# KiCad board for_real_486_rc13.kicad_pcb (continued)
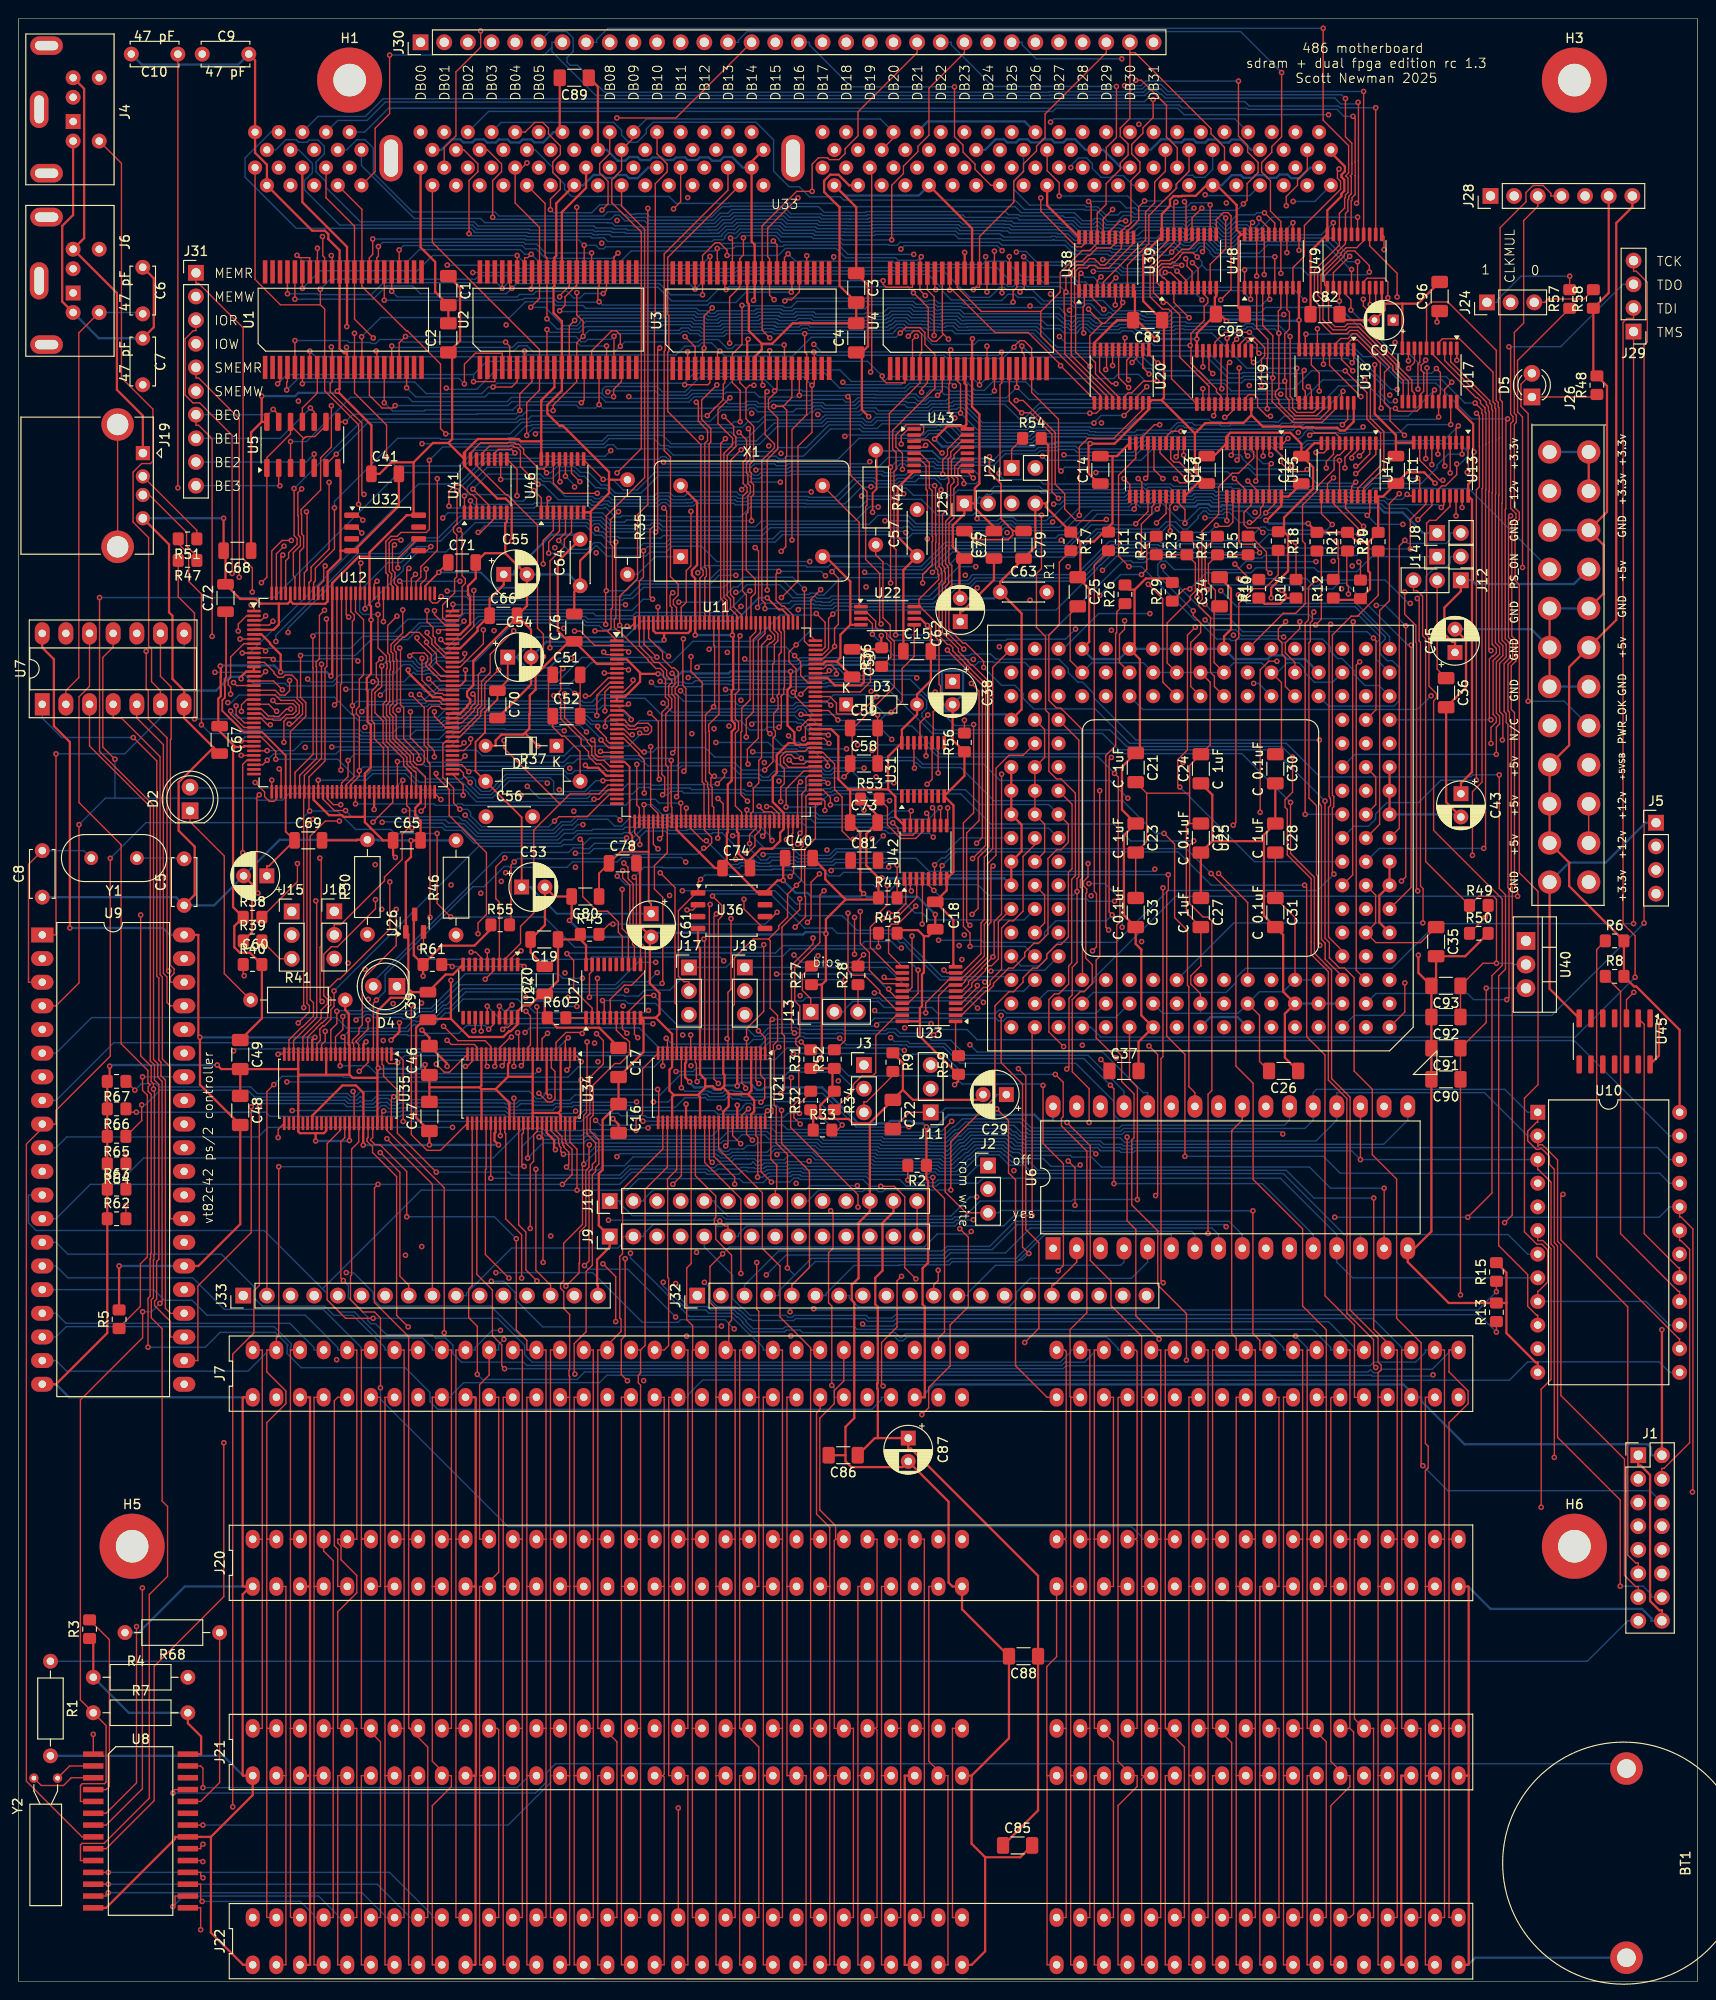
[diagram p0: board, top side]
## Routing (per net, layer and track width the routed paths; a pad name or vN(x,y) marks a point on that pad's centre or on a via; arc(x,y) is an arc through that point) (continued)
  Bottom w0.15: v1(71.3,117.15) 81.24,117.15 83.92,114.47 88.48,114.47 90.05,112.91 94.22,112.91 99.21,107.92 106.28,107.92 U25.C17
CACHE: length 59.8
  Top w0.15: v1(80.96,103.32) 80.73,103.09 80.73,96.11 80.81,96.02 80.81,93.97 81.03,93.75 81.03,93.27 80.81,93.05 80.81,88.3 81.44,87.67 81.44,85.11 81.28,84.95 J10.8
  Bottom w0.15: v1(80.96,103.32) 83.7,103.32 84.05,102.97 91.46,102.97 91.95,103.45 104.96,103.45 105.25,103.17 105.79,103.17 106.15,103.54 117.84,103.54 U25.B12
CDONE_PROG: length 51.5
  Top w0.15: v1(79.93,123) 80.18,123.25 U11.65
  Bottom w0.15: D4.2 38.1,107.37 51.98,121.26 59.08,121.26 59.57,121.75 60.63,121.75 60.72,121.65 61.28,121.65 61.87,122.24 65.55,122.24 65.89,122.58 65.89,122.7 67.1,123.9 69.62,123.9 69.9,123.62 71.8,123.62 71.9,123.72 79.21,123.72 v1(79.93,123)
CDONE_PROG2: length 24.5
  Top w0.15: v1(41.27,129.01) 41.19,128.93 U12.65
  Bottom w0.15: D2.2 18.5,128.19 40.45,128.19 v1(41.27,129.01)
CH_RDY: length 110.7
  Top w0.15: 46.98,27.18 46.98,47.5 46.98,47.5 ; 46.98,27.18 46.98,6.86 J22.41 ; 46.98,27.18 J21.41 ; 46.98,47.5 46.98,67.82 J7.41 ; 46.98,47.5 J20.41 ; U27.7 64.86,102.33 v1(65.34,101.84)
  In1.Cu w0.15: v1(65.34,101.84) 64.29,100.79 v1(61.87,100.79)
  In2.Cu w0.15: v1(51.76,69.92) 53.34,71.5 53.34,78.06 56.55,81.27 56.55,89.53 57.73,90.71 57.73,92.96 61.66,96.89 61.66,100.57 v1(61.87,100.79)
  Bottom w0.15: J7.41 49.03,67.82 49.03,68.07 50.88,69.92 v1(51.76,69.92)
CK0: length 130.2
  Top w0.15: U11.37 66.18,123.34 66.73,122.78 v1(66.73,122.11) ; v1(42.02,142.36) 42.34,142.69 43.58,142.69 43.93,142.33 43.93,141.76 43.75,141.58 43.75,141.29 45.36,139.68 U12.93
  In2.Cu w0.15: U33.42 86.01,194.47 86.01,172.14 85.8,171.94 85.8,171.19 81.25,166.63 81.25,155.3 77.63,151.69 77.63,147.72 v1(77.6,147.69) 78.07,147.21 78.07,143.28 74.83,140.04 74.83,137.76 74.56,137.48 74.42,137.48 74.08,137.15 74.08,137 71.74,134.67 71.74,134.24 67.25,129.75 67.25,129.41 67.81,128.85 67.81,125.68 66.73,124.6 v1(66.73,122.11)
  Bottom w0.15: v1(77.6,147.69) 76.59,146.68 66.47,146.68 66.11,146.33 61.16,146.33 60.88,146.61 49.36,146.61 45.9,143.15 45.21,143.15 43.59,141.53 43.37,141.53 43.28,141.44 43.1,141.44 42.76,141.78 42.76,141.89 42.29,142.36 v1(42.02,142.36)
CK2: length 139.4
  Top w0.15: v1(42.79,144.31) 42.79,144.04 44.34,142.49 44.34,141.67 44.14,141.47 44.14,141.4 45.36,140.18 U12.94
  In1.Cu w0.15: v1(42.79,144.31) 42.79,144.68 44.05,145.94 46.77,145.94 48.23,147.4 48.82,147.4 50.53,149.11 54.2,149.11 55.75,150.66 55.75,153.35 60.42,158.02 61.4,158.02 63.14,159.76 67.2,159.76 70.34,162.91 77.24,162.91 82.81,168.47 85.11,168.47 88.4,171.76 v1(88.54,171.76)
  In2.Cu w0.15: v1(135.58,170.49) 135.31,170.76 135.31,173.79 133,176.11 133,181.18 132.42,181.76 132.42,184.88 134.84,187.29 134.84,191.86 U33.79
  Bottom w0.15: v1(135.58,170.49) 109.51,170.49 108.19,171.81 104.64,171.81 103.73,170.89 102.75,170.89 101.65,172 95.3,172 94.8,171.5 88.8,171.5 v1(88.54,171.76)
cpu_vcc: length 413.5
  Top w0.15: U25.H16 110.22,121.31 110.22,124.3 U25.K16 U25.L16 U25.M16 110.22,131.47 110.22,134.46 U25.P16 ; v1(116.26,99.02) 117.18,98.09 C37.1 ; U25.R14 112.96,141.88 112.96,146.88 C25.2 ; C33.1 C23.2 121.18,122.42 121.18,127.63 ; 128.62,147.69 128.56,147.75 128.56,149.42 127.81,150.17 127.81,152.25 R24.1 R25.1 ; 128.62,147.69 128.42,147.49 128.42,141.66 U25.R8 ; 128.62,147.69 C34.1 ; C28.2 C31.1 137.11,114.26 U25.C5 ; 125.79,124.37 125.79,127.63 ; 125.79,124.37 C32.1 ; 125.79,124.37 125.44,124.02 125.44,114.8 C27.2 127,109.08 127,109.08 125.91,108 125.91,107.14 126.95,106.1 U25.B9 ; 125.79,127.63 121.18,127.63 ; 125.79,127.63 125.79,130.6 C24.2 128,132.81 128,139.54 U25.R9 ; R28.2 90.17,109.67 v1(90.77,110.27) ; C30.1 135.66,132.46 135.66,139.5 U25.R6 ; R22.1 R23.1 126.41,152.32 126.41,149.32 125.86,148.78 125.86,148.4 123.37,145.92 123.37,141.62 U25.R10 ; U25.E16 110.22,113.69 110.22,116.68 U25.G16 ; U25.G2 145.77,116.69 145.77,113.69 U25.E2 145.81,111.57 150.61,111.57 C35.1 ; U25.K2 145.8,126.41 145.8,129.36 U25.M2 ; 121.18,127.63 C21.2 ; v1(161.55,151.87) 161.55,168.05 161.02,168.58 161.02,174.11 R57.1 ; C22.2 95.7,93.34 J11.1 ; U25.B7 133.3,103.76 133.3,98.81 C26.2 ; J12.2 152.38,140.94 C36.1 ; J9.14 J10.14
  In1.Cu w0.15: 110.22,139.2 110.22,136.55 U25.P16 ; 110.22,139.2 102.96,139.2 102.59,138.83 102.11,138.83 101.41,139.54 101.41,139.64 C38.1 ; 110.22,139.2 112.87,139.2 U25.R14 ; U25.E2 143.46,111.38 143.46,109.88 142.42,108.84 140.92,108.84 U25.C4 ; U25.E16 107.88,111.35 103.25,111.35 102.23,110.33 90.83,110.33 v1(90.77,110.27) ; U25.R3 143.46,141.86 143.46,143.37 148.75,148.65 149.14,148.65 149.72,149.24 150.27,149.24 151.26,150.22 151.26,150.5 J12.2 153.51,150.5 153.51,151.2 154.18,151.87 v1(161.55,151.87)
  In2.Cu w0.15: U25.K2 143.69,124.31 143.69,118.77 U25.G2 ; U25.B11 120.6,103.76 120.6,102.24 118.13,99.77 117.01,99.77 v1(116.26,99.02) ; J10.14 96.52,91.75 97.14,92.37 97.62,92.37 97.63,92.36 97.76,92.36 97.9,92.22 97.98,92.22 J11.1 ; U25.E16 107.78,111.25 107.78,98.47 107.97,98.28 107.97,97.73 106.57,96.33 106.11,96.33 C29.1 ; U25.H16 U25.G16
  Bottom w0.15: 126.95,103.98 130.99,103.98 U25.B7 133.3,106.3 135.84,106.3 U25.C5 U25.C4 ; 126.95,103.98 U25.B9 ; 126.95,103.98 122.92,103.98 U25.B11 ; C29.1 105.03,95.25 105.03,95.12 103.72,93.8 99.56,93.8 99.11,93.34 J11.1 ; U25.R14 115.29,141.62 120.83,141.62 U25.R11 U25.R10 U25.R9 U25.R8 130.53,141.62 133.53,141.62 U25.R6 135.22,140.59 136.26,141.62 137.54,141.62 138.15,141.02 138.15,140.59 139.19,139.55 141.15,139.55 U25.R3
cpu_vcc_in: length 59.4
  Top w0.15: J12.3 149.84,149.37 150.23,149.37 150.83,148.77 150.83,144.54 151.15,144.22 151.15,120.28 R49.1 156.85,116.56 158.43,116.56 158.76,116.23 v1(158.76,109.36) 157.31,109.36 C93.1 C92.1
  Bottom w0.15: U40.2 160.65,109.22 160.51,109.36 v1(158.76,109.36)
CRAP_SHIFT: length 36.4
  Top w0.15: v1(48.56,133.46) 48.56,132.93 47.83,132.2 46.62,132.2 U12.78 ; v1(53.54,159.57) 53.54,162.41 U41.9
  In2.Cu w0.15: v1(53.54,159.57) 51.01,157.04 51.01,147.06 47.35,143.4 47.35,134.67 v1(48.56,133.46)
CRESET: length 80.8
  Top w0.15: J16.2 33.91,113.52 34.61,113.52 39.3,118.21 39.3,118.61 41.2,120.51 41.2,123.21 42,124.01 ; 42,124.01 42.11,124.01 v1(42.24,123.88) ; 42,124.01 42,125.98 41.69,126.3 U12.66 ; v1(80.94,122.53) 80.68,122.79 U11.66
  In2.Cu w0.15: J18.2 78.01,107.49 78.69,107.49 80.62,109.43 80.62,122.21 v1(80.94,122.53)
  Bottom w0.15: v1(42.24,123.88) 42.31,123.95 45.5,123.95 45.82,123.63 47.55,123.63 48.92,122.26 58.17,122.26 58.54,122.62 59.45,122.62 60.08,123.26 64.86,123.26 65,123.39 65.89,123.39 66.82,124.32 68.64,124.32 68.71,124.26 69.77,124.26 70.05,123.97 70.72,123.97 70.83,124.07 79.68,124.07 80.94,122.81 v1(80.94,122.53)
D00: length 53.3
  Top w0.15: v1(158.16,135.51) 158,135.67 158,142.04 158.32,142.36 158.4,142.36 158.74,142.7 158.74,143.18 158.4,143.51 158.29,143.63 158.29,159.91 158.33,159.94 158.33,165.43 158.33,165.43 158.33,168.75 158.24,168.84 158.24,169.3 158.03,169.51 158.03,169.77 153.85,173.96 U17.2
  Bottom w0.15: U25.P1 v1(158.16,135.51)
D01: length 52.1
  Top w0.15: v1(158.16,142.94) 157.94,143.16 157.94,160.05 157.98,160.09 157.98,165.28 157.98,168.6 157.89,168.69 157.89,169.16 157.68,169.36 157.68,169.61 157.39,169.9 157.39,169.92 156.85,170.46 156.83,170.46 153.19,174.1 U17.3
  In1.Cu w0.15: v1(158.16,142.94) 149.46,134.24 146,134.24 U25.N2
D02: length 59.9
  Top w0.15: U17.4 152.55,176.03 152.95,176.43 154.79,176.43 158.38,172.84 158.38,169.65 158.59,169.45 158.59,168.98 158.68,168.89 158.68,165.58 158.68,159.8 158.64,159.76 158.64,143.77 159.09,143.32 159.09,142.55 158.55,142.01 158.55,142.01 158.39,141.85 158.39,136.1 158.4,136.08 158.74,135.74 158.74,135.27 158.16,134.69 v1(158.16,132.97)
  In1.Cu w0.15: U25.N1 v1(158.16,132.97)
D03: length 69.5
  Top w0.15: v1(157.39,121.69) 157.59,121.89 157.59,160.2 157.63,160.24 157.63,165.14 157.63,168.46 157.54,168.55 157.54,169.01 157.04,169.51 157.04,169.77 156.7,170.11 156.56,170.11 151.89,174.77 U17.5
  Bottom w0.15: U25.H2 146.16,121.69 v1(157.39,121.69)
D04: length 75.8
  Top w0.15: U17.6 151.25,179.89 151.74,180.38 153.54,180.38 158.73,175.19 158.73,169.8 158.94,169.59 158.94,169.13 159.03,169.04 159.03,165.72 159.03,159.65 158.99,159.62 158.99,143.92 159.44,143.47 159.44,142.41 158.74,141.7 158.74,136.24 159.09,135.89 159.09,135.06 158.74,134.71 v1(158.74,131.79)
  Bottom w0.15: v1(158.74,131.79) 143.56,131.79 U25.M3
D05: length 55
  Top w0.15: 150.59,175.41 150.53,175.34 150.53,173.93 150.32,173.72 v1(150.32,171.02) ; v1(148.31,159.8) 147.26,158.74 147.26,148.29 146.21,147.24 146.21,124.28 U25.J2
  In2.Cu w0.15: v1(148.31,159.8) 148.31,160.27 150.32,162.28 v1(150.32,171.02)
D06: length 53.3
  Top w0.15: v1(149.31,173.25) 149.94,173.88 U17.8
  In2.Cu w0.15: v1(149.31,173.25) 148.83,172.77 148.33,172.77 145.44,169.88 145.44,168.6 145.46,168.58 145.46,168.02 146.01,167.46 146.01,163.01 145.99,163 145.99,162.5 145.98,162.48 145.98,158.17 146.23,157.92 146.23,154.63 146.56,154.29 146.56,153.3 146.78,153.08 146.78,145.68 148.31,144.14 148.31,129.96 147.74,129.38 146.23,129.38 U25.L2
D07: length 52
  Top w0.15: U17.9 v1(149.3,174.07)
  In2.Cu w0.15: U25.L3 143.46,129.16 143.46,138.28 144.5,139.32 144.99,139.32 146.23,140.56 146.23,147.27 146.43,147.46 146.43,152.93 145.87,153.48 145.87,157.77 145.62,158.02 145.62,163.12 145.66,163.16 145.66,167.32 145.09,167.88 145.09,170.02 149.13,174.07 v1(149.3,174.07)
D08: length 67.3
  Top w0.15: v1(146.37,168.98) 146.28,169.07 146.28,173.85 143.82,176.3 143.14,176.3 142.77,175.93 U18.2
  In2.Cu w0.15: U25.F2 146,116.46 146,117.98 147.02,119 147.49,119 148.67,120.17 148.67,129.23 149.02,129.58 149.02,144.74 147.48,146.27 147.48,153.37 147.38,153.47 147.38,153.96 147.29,154.06 147.29,154.59 146.93,154.94 146.93,158.21 146.68,158.46 146.68,162.19 146.82,162.33 146.82,168.53 v1(146.37,168.98)
D09: length 69.3
  Top w0.15: v1(148.56,118.18) 149.01,118.64 v1(149.01,145.61) ; v1(143.32,172.99) 142.12,174.19 U18.3
  In2.Cu w0.15: U25.D1 148.31,111.15 148.31,117.94 v1(148.56,118.18) ; v1(145.85,147.79) 145.52,148.12 145.52,157.62 145.27,157.87 145.27,167.02 143.32,168.97 v1(143.32,172.99)
  Bottom w0.15: v1(145.85,147.79) 146.83,147.79 v1(149.01,145.61)
D10: length 77.5
  Top w0.15: v1(148.87,166.07) 147.33,167.62 147.33,168.93 146.72,169.53 146.72,172.83 147.24,173.35 147.24,173.41 143.67,176.98 143.33,176.98 142.8,176.46 142.02,176.46 141.47,175.91 U18.4 ; v1(148.9,149.23) 148.9,146.84 150.1,145.64 150.1,143.83 150.17,143.76 150.17,117.26 v1(150.3,117.13)
  In1.Cu w0.15: U25.E3 143.46,113.92 144.96,113.92 146,114.96 146,115.43 146.8,116.22 149.39,116.22 v1(150.3,117.13)
  In2.Cu w0.15: v1(148.9,149.23) 148.71,149.42 148.71,154.13 148.34,154.5 148.34,155.17 148.12,155.39 148.12,158.5 147.73,158.89 147.73,161.51 148.87,162.64 v1(148.87,166.07)
D11: length 75.1
  Top w0.15: v1(144.19,170.22) 140.82,173.59 U18.5
  In1.Cu w0.15: v1(147.3,170.38) 147.14,170.22 v1(144.19,170.22)
  In2.Cu w0.15: v1(147.3,170.38) 147.17,170.26 147.17,162.19 147.03,162.04 147.03,158.6 147.28,158.35 147.28,155.24 147.64,154.88 147.64,154.21 147.74,154.11 147.74,153.61 147.83,153.52 147.83,148.11 149.82,146.12 149.82,144.11 150.17,143.76 150.17,143.29 149.83,142.95 149.83,129.89 149.14,129.2 149.14,117.95 148.66,117.48 148.66,108.96 U25.C1
D12: length 59.7
  Top w0.15: v1(143.37,146.04) 143.31,145.98 143.31,118.84 U25.G3 ; U18.6 v1(140.17,173.7)
  In2.Cu w0.15: v1(140.17,173.7) 140.34,173.52 140.34,163.23 139.9,162.78 139.9,162.3 140.08,162.12 140.08,153.09 140.29,152.88 140.29,149.12 v1(143.37,146.04)
D13: length 85.4
  Top w0.15: U18.7 v1(139.52,177.51)
  In1.Cu w0.15: v1(147.87,176.04) 146.4,177.51 v1(139.52,177.51)
  In2.Cu w0.15: v1(147.87,176.04) 148.16,176.04 149.92,174.28 149.92,173.01 149.29,172.38 148.45,172.38 145.79,169.73 145.79,168.74 145.79,168.74 146.47,168.07 146.47,162.48 146.33,162.34 146.33,158.31 146.58,158.06 146.58,154.77 146.94,154.41 146.94,153.48 146.94,153.48 146.94,153.41 147.13,153.22 147.13,146.09 148.66,144.56 148.66,129.72 148.49,129.55 148.4,129.55 148.31,129.46 148.31,129.35 147.99,129.03 146.95,129.03 145.77,127.86 145.77,127.45 144.71,126.38 144.21,126.38 143.29,125.46 143.29,111.55 U25.D2
D14: length 55.9
  Top w0.15: v1(139.36,150.54) 138.56,149.73 138.56,146.24 138.21,145.88 v1(138.21,125.35) ; U18.8 138.87,173.62 139.72,172.77 v1(139.72,170.81)
  In2.Cu w0.15: v1(139.72,170.81) 139.72,165.99 138.77,165.04 138.77,162.93 139.55,162.15 139.55,153.13 139.94,152.73 139.94,151.12 v1(139.36,150.54)
  Bottom w0.15: U25.K3 v1(138.21,125.35)
D15: length 88.9
  Top w0.15: v1(138.29,176.93) 138.22,176.86 U18.9 ; v1(156.18,120.95) 156.18,127.79 157.21,128.81 157.21,160.31 157.27,160.38 157.27,164.99 157.27,168.31 157.18,168.4 157.18,168.81 v1(156.46,169.53)
  In1.Cu w0.15: v1(156.18,120.95) 153.99,118.76 146.8,118.76 146,117.97 146,117.5 144.96,116.46 143.46,116.46 U25.F3
  Bottom w0.15: v1(138.29,176.93) 143.81,176.93 148.71,172.02 152.89,172.02 155.37,169.53 v1(156.46,169.53)
D16: length 87.4
  Top w0.15: U19.2 131.77,175.87 132.1,176.2 132.65,176.2 133.03,175.82 133.03,175.08 v1(133.24,174.87) ; v1(156.61,168.42) 156.91,168.12 156.91,164.86 156.92,164.85 156.92,160.53 156.59,160.2 v1(156.59,129.02)
  In1.Cu w0.15: v1(156.61,168.42) 155.26,169.76 v1(147.9,169.76)
  Bottom w0.15: U25.J3 143.46,124.08 145,124.08 145.77,124.85 145.77,125.39 147,126.62 150.39,126.62 152.79,129.02 v1(156.59,129.02) ; v1(147.9,169.76) 147.72,169.58 147.28,169.58 146.16,170.69 146.16,170.76 146.52,171.11 146.52,171.42 143.07,174.87 v1(133.24,174.87)
D17: length 74.2
  Top w0.15: U19.3 131.12,175.8 131.88,176.55 132.79,176.55 133.85,175.5 133.85,174.59 133.51,174.25 v1(133.51,171.41) ; U25.D3 142.19,110.7 140.72,112.18 140.72,126.1 140.94,126.32 140.94,127 140.85,127.08 140.85,127.19 140.77,127.27 140.77,145.6 v1(140.94,145.77)
  In2.Cu w0.15: v1(133.51,171.41) 133.51,171.24 136.61,168.14 136.61,166.28 136.97,165.92 136.97,163.87 136.19,163.09 136.19,162.42 136.67,161.94 136.67,155.89 137.73,154.82 137.73,149.32 140.14,146.92 140.14,146.58 v1(140.94,145.77)
D18: length 76.6
  Top w0.15: v1(130.85,176.4) 130.47,176.02 U19.4 ; v1(144.05,141.74) 143.69,141.37 143.69,108.61 U25.C2
  In2.Cu w0.15: v1(130.85,176.4) 130.85,174.82 133.67,171.99 133.75,171.99 134.09,171.65 134.09,171.48 135.01,170.57 135.01,170.25 135.34,169.91 135.43,169.91 138.05,167.29 138.05,166.13 137.76,165.85 137.76,156.53 138.79,155.51 138.79,150.3 139.14,149.95 139.14,149.46 143.58,145.01 143.58,142.21 v1(144.05,141.74)
D19: length 91.5
  Top w0.15: U19.5 v1(129.82,176.48)
  In2.Cu w0.15: v1(148.11,170.99) 148.5,170.59 148.5,168.74 147.78,168.02 147.78,162.3 147.38,161.9 147.38,158.75 147.63,158.5 147.63,158.44 147.64,158.43 147.64,155.38 147.99,155.03 147.99,154.35 148.09,154.26 148.09,154.19 148.18,154.1 148.18,148.38 150.52,146.04 150.52,118.84 149.45,117.77 149.45,117.7 149.19,117.44 149.19,108.74 148.34,107.89 148.34,106.09 U25.B1
  Bottom w0.15: v1(129.82,176.48) 130.31,176.97 131.22,176.97 132.73,175.46 142.49,175.46 142.69,175.25 143.19,175.25 147.46,170.99 v1(148.11,170.99)
D20: length 93.8
  Top w0.15: v1(129.25,171.06) 129.17,171.15 U19.6 ; v1(148.91,107.25) 148.91,104.13 U25.A1
  In2.Cu w0.15: v1(148.91,107.25) 149.72,108.05 149.72,117.47 150.87,118.62 150.87,146.63 v1(149.49,148.01) ; v1(131.04,150.68) 131.23,150.87 131.23,152.58 129.52,154.29 129.52,156.35 129.18,156.69 129.18,163.84 130.14,164.8 130.14,170.17 v1(129.25,171.06)
  Bottom w0.15: v1(149.49,148.01) 149.31,148.01 146.8,150.52 140.19,150.52 139.59,149.91 139.1,149.91 138.33,150.68 v1(131.04,150.68)
D21: length 115.7
  Top w0.15: U19.7 128.52,176.07 129.58,177.13 v1(132.22,177.13) ; v1(159.86,105.45) 160.1,105.69 160.1,117.36 159.99,117.47 159.99,135.03 159.8,135.22 159.8,136.18 159.58,136.4 159.58,141.55 160.15,142.11 160.15,143.76 159.7,144.21 159.7,158.1 159.77,158.17 159.77,167.64 v1(159.96,167.83)
  Bottom w0.15: U25.B2 145.81,106.1 155.65,106.1 156.3,105.45 v1(159.86,105.45) ; v1(132.22,177.13) 133.45,175.9 143.03,175.9 144.43,174.51 145.73,174.51 148.57,171.67 152.24,171.67 156.08,167.83 v1(159.96,167.83)
D22: length 80.9
  Top w0.15: U19.8 127.87,173.1 v1(128.28,172.69)
  In2.Cu w0.15: U25.A2 143.25,103.97 143.25,105.48 142.33,106.4 141.89,106.4 140.72,107.57 140.72,116.42 138.43,118.7 138.43,122.56 135.66,125.34 135.66,138.44 134.78,139.32 134.36,139.32 133.51,140.16 133.51,152.83 133.89,153.21 133.89,153.69 133.09,154.5 133.09,155.87 133.4,156.18 133.4,157.54 133.4,157.54 133.4,158.02 133.48,158.1 133.48,161.44 131.46,163.46 131.46,169.67 128.44,172.69 v1(128.28,172.69)
D23: length 80.9
  Top w0.15: v1(139.77,111.28) 139.55,111.51 139.55,118.73 139.42,118.86 139.42,126.29 138.61,127.1 138.61,143.77 138.76,143.92 138.76,145.94 138.98,146.16 138.98,146.93 v1(139.13,147.08) ; U19.9 v1(127.22,173.42)
  In1.Cu w0.15: v1(127.22,173.42) 127.37,173.27 130.19,173.27 132.04,171.41 v1(132.19,171.41)
  In2.Cu w0.15: v1(132.19,171.41) 132.19,167.38 135.49,164.08 135.49,162.08 135.96,161.61 135.96,154.75 137.38,153.33 137.38,148.84 v1(139.13,147.08) ; v1(139.77,111.28) 138.61,110.12 138.61,103.52 U25.A4
D24: length 79.5
  Top w0.15: U20.2 120.77,173.32 v1(121.44,172.65)
  In2.Cu w0.15: U25.A6 135.65,103.56 135.65,121.04 128.26,128.43 128.26,150.44 125.49,153.21 125.49,155.41 124.68,156.22 124.68,157.81 124.87,158 124.87,159.75 123.7,160.92 123.7,169.63 121.44,171.89 121.44,172.65 v1(121.44,172.65)
D25: length 76.7
  Top w0.15: U20.3 120.12,174.39 v1(119.61,173.88)
  In2.Cu w0.15: v1(119.61,173.88) 120.16,173.33 120.16,172.12 120.16,172.11 120.16,171.67 120.26,171.58 120.26,169.64 121.64,168.26 121.64,160.68 121.77,160.55 121.77,158.43 121.66,158.31 121.66,155.93 124.02,153.57 124.02,145.27 125.47,143.83 125.47,131.45 125.68,131.24 125.68,129.8 133.3,122.18 133.3,106.3 U25.B6
D26: length 74.2
  Top w0.15: U20.4 119.47,174.56 119.03,174.12 119.03,172.22 v1(119.23,172.02) ; v1(128.91,119) 132.03,115.88 U25.C7
  In2.Cu w0.15: v1(119.23,172.02) 118.16,170.96 118.16,161.21 118.17,161.2 118.17,161.17 118.69,160.65 118.69,151.69 120.6,149.78 120.6,127.31 v1(128.91,119)
D27: length 76.9
  Top w0.15: U20.5 118.82,176.49 v1(118.85,176.53)
  In2.Cu w0.15: v1(118.85,176.53) 120.51,174.87 120.51,172.27 120.52,172.26 120.52,171.82 120.61,171.72 120.61,170.02 121.99,168.64 121.99,160.83 122.89,159.93 122.89,156.49 122.73,156.33 122.73,155.46 124.43,153.76 124.43,147.65 125.47,146.62 125.47,144.33 125.82,143.97 125.82,131.6 126.03,131.38 126.03,129.95 134.57,121.41 U25.C6
D28: length 72.4
  Top w0.15: v1(119.24,171.19) 118.17,172.27 U20.6
  In2.Cu w0.15: v1(119.24,171.19) 119.33,171.11 119.33,158.45 119.27,158.39 119.27,153.81 122.98,150.09 122.98,126.63 129.49,120.11 U25.C8
D29: length 79.4
  Top w0.15: U20.7 v1(117.52,173.55)
  In2.Cu w0.15: U25.A8 130.56,103.55 130.56,120.24 123.37,127.42 123.37,150.51 122.38,151.51 122.38,154.13 120.58,155.93 120.58,159.69 119.69,160.59 119.69,161.66 119.91,161.87 119.91,171.43 119.81,171.53 119.81,172.27 118.52,173.55 v1(117.52,173.55)
D30: length 72.5
  Top w0.15: U20.8 116.87,173.21 v1(116.78,173.12)
  In2.Cu w0.15: v1(116.78,173.12) 117.29,172.6 117.29,161.05 117.65,160.7 117.65,154.56 117.87,154.33 117.87,145.45 117.97,145.36 117.97,144.89 117.87,144.8 117.87,132.09 118.12,131.85 118.12,131.37 117.87,131.13 117.87,130.42 117.97,130.33 118.31,129.99 118.31,129.51 117.97,129.17 117.97,129.17 117.96,129.16 117.96,116.61 126.95,107.61 U25.C9
D31: length 76.7
  Top w0.15: v1(117.89,171.6) 117.43,171.6 116.12,172.9 116.12,175.17 U20.9
  In2.Cu w0.15: U25.B8 128.22,106.3 128.22,109 118.31,118.92 118.31,129.02 118.66,129.37 118.66,130.14 118.23,130.57 118.23,130.98 118.47,131.22 118.47,131.99 118.23,132.24 118.23,144.65 118.32,144.74 118.32,145.51 118.23,145.6 118.23,157.46 118,157.69 118,160.85 117.82,161.02 117.82,161.05 117.81,161.06 117.81,171.52 v1(117.89,171.6)
D/C: length 132
  Top w0.15: v1(104.68,119.81) 104.44,119.57 104.44,113.75 104.09,113.4 104.09,109.97 101.69,107.57 101.69,107.43 101.28,107.02 U23.7 99.99,107.02 98.82,105.85 98.82,102.19 v1(98.3,101.66) ; v1(27.42,96.33) 26.67,95.57 J33.2
  In1.Cu w0.15: v1(98.3,101.66) 96.82,101.66 v1(95.15,99.99)
  In2.Cu w0.15: v1(104.68,119.81) 106.41,121.54 106.86,121.54 107.9,122.58 107.9,125.59 108.93,126.62 109.4,126.62 110.44,127.66 110.44,129.16 U25.M15
  Bottom w0.15: v1(27.42,96.33) 28.31,97.21 34.82,97.21 34.91,97.12 59.01,97.12 60.09,98.2 68.25,98.2 69.06,99.01 81.29,99.01 82.53,100.26 94.54,100.26 94.65,100.15 95,100.15 v1(95.15,99.99)
DACK0: length 67.1
  Top w0.15: J22.70 128.26,1.78 128.26,22.1 J21.70
  In2.Cu w0.15: J7.70 130.31,62.74 130.31,42.42 J20.70 128.26,42.42 128.26,22.1 J21.70
DACK1: length 149.7
  Top w0.15: J7.17 64.76,62.74 64.76,42.42 ; 64.76,42.42 64.76,22.24 64.91,22.1 ; 64.76,42.42 J20.17 ; 64.91,22.1 64.76,22.1 64.76,1.78 J22.17 ; 64.91,22.1 J21.17 ; U42.1 95.3,118.26 95.3,115.76 94.28,114.74 v1(93.47,114.74)
  In1.Cu w0.15: v1(93.47,114.74) 93.47,113.95 90.99,111.47 90.49,111.47 90.17,111.14 85.5,111.14 79.43,105.07 65.23,105.07 v1(64.93,104.77)
  In2.Cu w0.15: v1(64.93,104.77) 64.74,104.58 64.74,104.03 64.19,103.48 64.19,103.05 64.06,102.92 64.06,96.7 63.58,96.22 63.58,93.22 63.26,92.9 63.26,92.42 63.58,92.11 63.58,92.08 63.25,91.75 63.25,91.41 63.17,91.33 63.17,90.75 63.25,90.67 63.25,89.54 62.99,89.28 62.99,86.45 61.62,85.07 61.62,82.01 61.97,81.66 61.97,78.57 62.89,77.65 63.01,77.65 63.35,77.31 63.35,77.08 63.95,76.48 63.95,71.49 63.57,71.11 63.57,70.63 64.32,69.88 64.32,63.18 64.76,62.74 J7.17
DACK2: length 127.1
  Top w0.15: v1(95.9,117.13) 95.8,117.23 U42.2 ; v1(87.23,82.78) 87.49,82.51 87.49,78.74 87.01,78.26 87.01,72.89 87.36,72.54 v1(87.36,64.01) ; J22.26 87.62,1.78 87.62,22.1 J21.26
  In2.Cu w0.15: J20.26 89.67,42.42 ; 89.67,42.42 89.67,42.42 89.67,62.74 J7.26 ; 89.67,42.42 89.67,22.1 J21.26 ; v1(95.9,117.13) 95.1,116.33 95.1,113.66 94.48,113.04 94.48,111.94 94.25,111.7 94.25,110.32 94.4,110.17 94.4,104.11 92.08,101.79 92.08,92.29 87.62,87.83 87.62,83.16 v1(87.23,82.78)
  Bottom w0.15: J7.26 87.62,62.74 87.62,63.75 v1(87.36,64.01)
DACK3: length 150.8
  Top w0.15: J22.15 59.68,1.78 59.68,22.1 ; 59.68,42.42 J20.15 ; 59.68,42.42 59.68,62.74 J7.15 ; 59.68,42.42 59.68,42.42 59.68,22.1 ; v1(92.88,114.19) 92.91,114.16 94.22,114.16 96.48,116.41 96.48,118.39 U42.3 ; 59.68,22.1 J21.15
  In1.Cu w0.15: v1(65.31,106.43) 66.66,107.78 79.55,107.78 83.27,111.5 90.02,111.5 92.71,114.19 v1(92.88,114.19)
  In2.Cu w0.15: J7.15 61.73,62.74 61.73,65.09 59.68,67.14 59.68,68.49 61.1,69.91 61.1,76.39 61.36,76.65 61.36,77.13 61.1,77.39 61.1,81.54 60.92,81.72 60.92,85.36 62.29,86.74 62.29,89.57 62.52,89.8 62.52,90.4 62.47,90.45 62.47,91.96 62.57,92.06 62.57,92.12 62.56,92.13 62.56,95.13 62.87,95.45 62.87,98.11 63.16,98.4 63.16,99.29 63.15,99.3 63.15,99.9 63.3,100.05 63.3,101.13 63.36,101.19 63.36,103.21 63.41,103.27 63.41,103.7 64.04,104.33 64.04,104.35 64,104.38 64,105.22 65.21,106.43 v1(65.31,106.43)
DACK5: length 149.4
  Top w0.15: J21.72 133.34,22.1 ; 133.34,22.1 133.34,1.78 J22.72 ; 133.34,22.1 133.34,42.42 J20.72 135.39,42.42 135.39,62.74 J7.72 ; U42.5 97.75,117.76 v1(98.33,117.18)
  In2.Cu w0.15: J7.72 135.39,62.74 135.39,71.96 132.84,74.51 132.84,79.39 127.64,84.6 127.64,98.61 125.91,100.33 125.91,105 124.62,106.3 124.15,106.3 123.26,107.19 123.26,110.48 v1(117.73,116.02)
  Bottom w0.15: v1(117.73,116.02) 114.98,116.02 114.73,116.27 99.24,116.27 v1(98.33,117.18)
DACK6: length 161.5
  Top w0.15: J20.74 140.47,42.42 140.47,62.74 ; 140.47,62.74 140.47,69.99 137.93,72.53 137.93,80.82 132.62,86.14 132.62,96.46 130.76,98.31 130.76,116.33 v1(128.1,119) ; 140.47,62.74 J7.74 ; J22.74 138.42,1.78 138.42,22.1 J21.74 ; U42.6 v1(98.39,119.92)
  In2.Cu w0.15: J20.74 138.42,42.42 138.42,22.1 J21.74
  Bottom w0.15: v1(98.39,119.92) 99.14,120.67 99.53,120.67 100.52,121.67 125.43,121.67 v1(128.1,119)
DACK7: length 165.8
  Top w0.15: v1(99.21,119.84) 99.05,119.68 U42.7 ; J7.76 143.5,62.74 143.5,70.48 140.33,73.64 140.33,99.5 138.37,101.47 138.37,117.52 v1(138.14,117.75)
  In2.Cu w0.15: J21.76 143.5,22.1 ; 143.5,22.1 143.5,1.78 J22.76 ; 143.5,22.1 143.5,42.42 ; J20.76 143.5,42.42 ; 143.5,42.42 143.5,42.42 143.5,62.74 J7.76
  Bottom w0.15: v1(138.14,117.75) 128.13,117.75 124.55,121.32 100.68,121.32 v1(99.21,119.84)
